# KiCad board sizif128.kicad_pcb (continued)
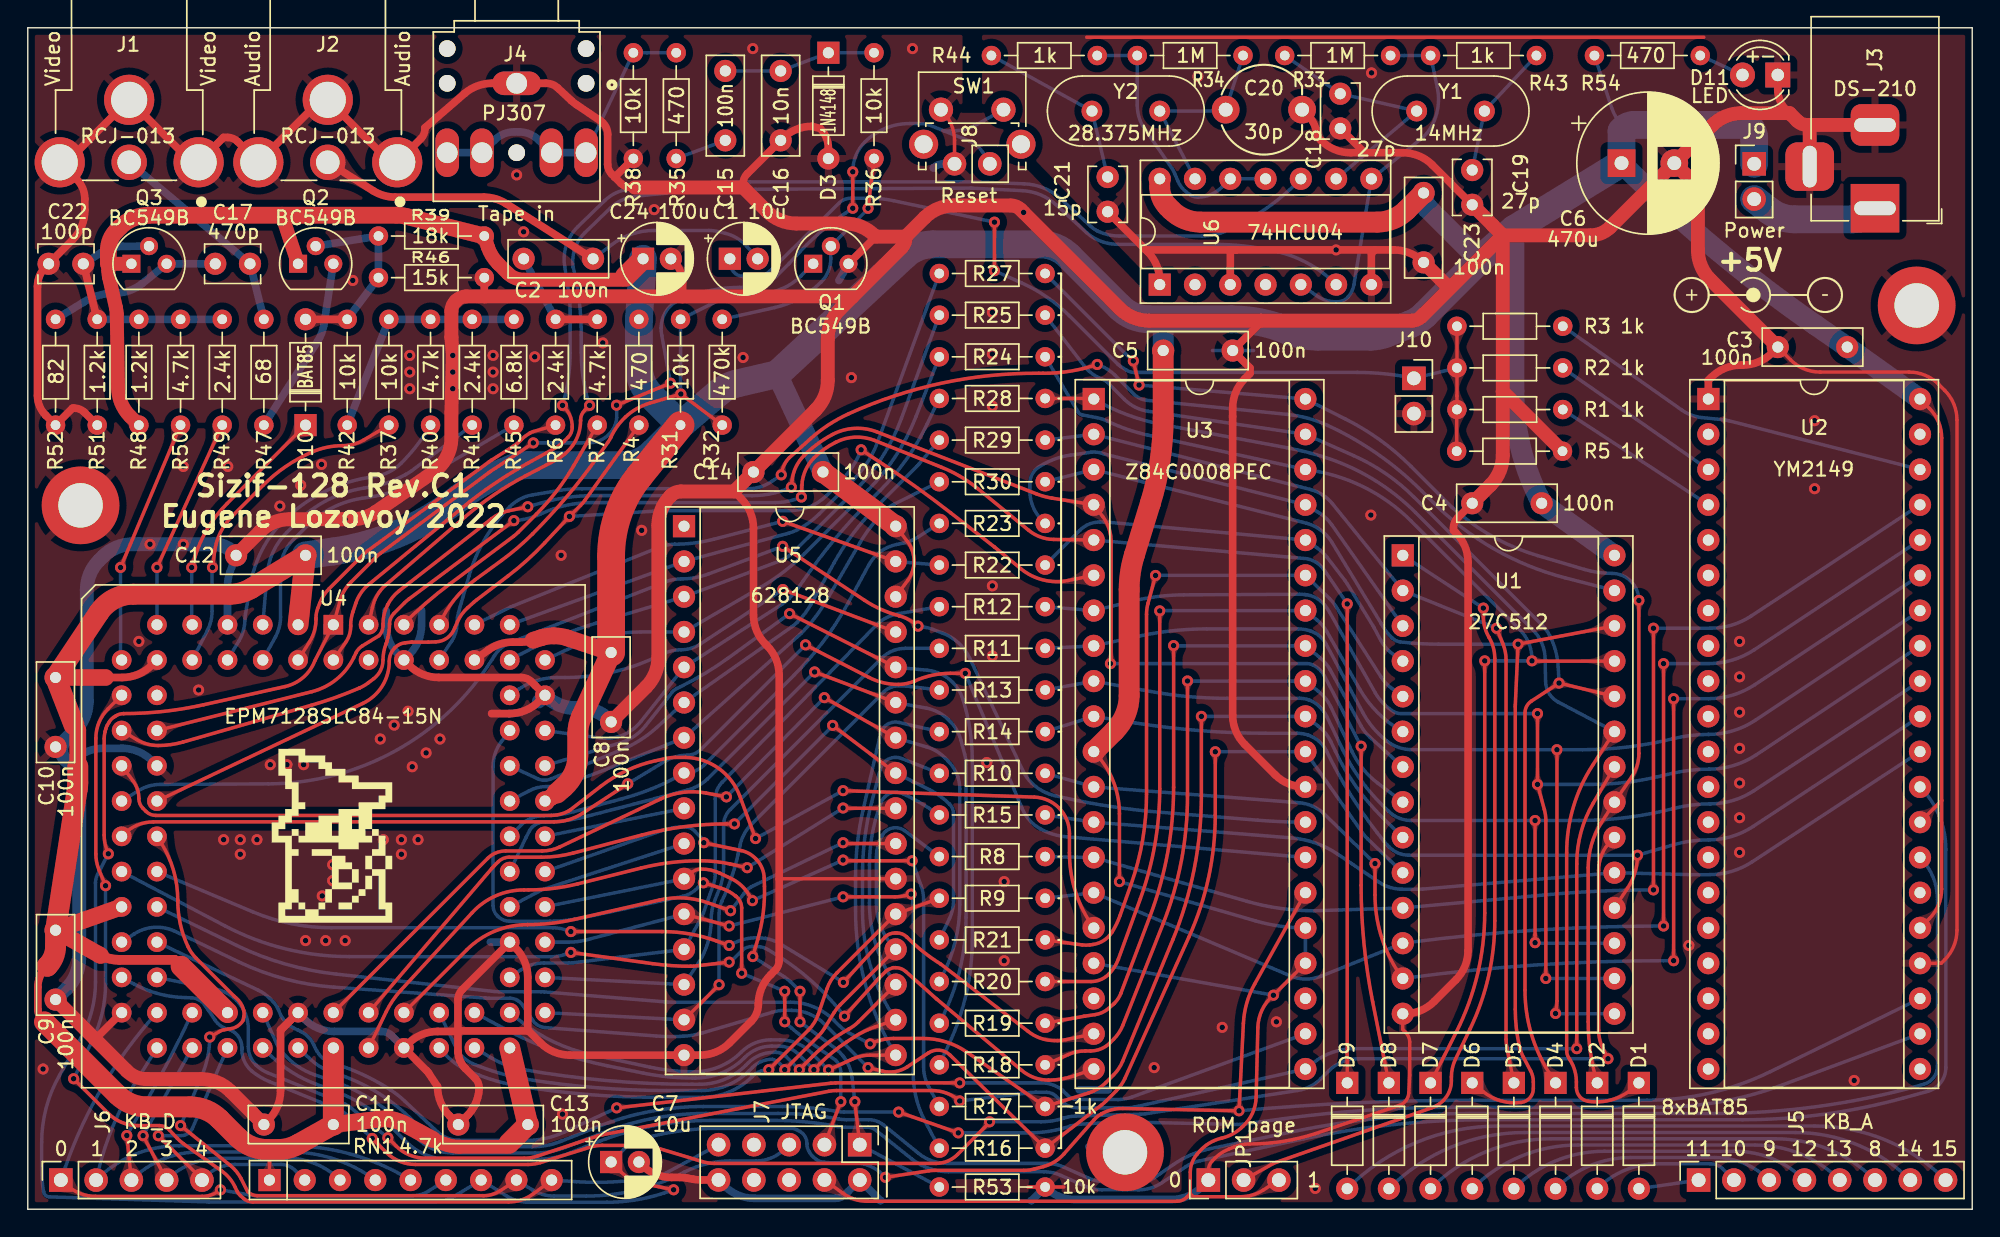
[diagram p0: board, top side]
## Copper pours and planes (outline as drawn; the poured copper is in the pictures) (continued)
D7 on Bottom: 74.64,28.32 74.48,28.35 74.35,28.39 74.25,28.44 74.16,28.5 74.08,28.57 74.01,28.64 73.94,28.72 73.86,28.8 73.76,28.89 73.64,28.98 72.9,28.45 73.46,27.73 73.6,27.78 73.71,27.84 73.82,27.89 73.91,27.94 74,27.99 74.09,28.04 74.19,28.07 74.31,28.09 74.44,28.09 74.61,28.07
Green on Bottom: 30.97,55.54 31.1,55.63 31.22,55.7 31.33,55.74 31.44,55.76 31.54,55.77 31.64,55.76 31.75,55.76 31.86,55.76 31.99,55.77 32.14,55.79 32.28,56.69 31.38,56.8 31.32,56.67 31.27,56.54 31.24,56.43 31.21,56.33 31.19,56.23 31.15,56.14 31.1,56.04 31.03,55.95 30.94,55.85 30.82,55.74
Green on Bottom: 16.92,43.53 16.89,43.36 16.86,43.23 16.81,43.12 16.76,43.02 16.7,42.94 16.63,42.86 16.55,42.78 16.47,42.69 16.39,42.59 16.31,42.46 16.89,41.75 17.58,42.35 17.52,42.49 17.46,42.61 17.4,42.71 17.34,42.8 17.28,42.89 17.23,42.98 17.2,43.08 17.17,43.2 17.16,43.34 17.16,43.51
Green on Bottom: 16.98,44.24 16.95,43.98 16.92,43.76 16.88,43.57 16.83,43.41 16.77,43.26 16.7,43.12 16.62,42.98 16.53,42.83 16.43,42.66 16.31,42.46 16.89,41.75 17.58,42.35 17.5,42.57 17.42,42.76 17.36,42.92 17.31,43.07 17.26,43.22 17.23,43.38 17.21,43.54 17.2,43.73 17.21,43.95 17.22,44.21
Green on Bottom: 30.41,55.12 30.61,55.27 30.79,55.39 30.96,55.48 31.11,55.55 31.25,55.61 31.4,55.65 31.55,55.68 31.72,55.72 31.91,55.75 32.14,55.79 32.28,56.69 31.38,56.8 31.28,56.6 31.19,56.42 31.11,56.27 31.04,56.13 30.96,56 30.86,55.87 30.75,55.75 30.62,55.62 30.46,55.48 30.26,55.32
KD0 on Top: 12.8,0.81 12.95,0.83 13.08,0.85 13.2,0.87 13.3,0.89 13.48,0.93 13.57,0.95 13.67,0.97 13.78,0.99 13.92,1 14.05,1.51 13.54,1.61 13.48,1.52 13.42,1.43 13.36,1.35 13.31,1.29 13.25,1.23 13.18,1.18 13.1,1.14 13.01,1.11 12.9,1.08 12.77,1.06
KD0 on Top: 3.82,1.25 3.65,1.33 3.53,1.42 3.44,1.52 3.38,1.63 3.34,1.74 3.31,1.87 3.29,2 3.26,2.15 3.21,2.3 3.15,2.46 2.05,2.37 2.19,1.27 2.38,1.23 2.54,1.21 2.68,1.2 2.81,1.2 2.94,1.19 3.07,1.18 3.2,1.17 3.36,1.14 3.53,1.09 3.73,1.02
KD0 on Top: 4.61,1.06 4.34,1.1 4.11,1.16 3.92,1.25 3.77,1.36 3.65,1.49 3.54,1.65 3.44,1.82 3.35,2.02 3.26,2.23 3.15,2.46 2.05,2.37 2.3,1.25 2.58,1.22 2.82,1.18 3.03,1.14 3.22,1.09 3.4,1.04 3.58,0.99 3.78,0.94 4,0.89 4.27,0.85 4.59,0.81
KD0 on Bottom: 8.46,13 8.57,13.12 8.68,13.21 8.78,13.28 8.88,13.32 8.98,13.35 9.08,13.37 9.19,13.39 9.31,13.42 9.43,13.45 9.57,13.5 9.54,14.43 8.62,14.35 8.58,14.2 8.56,14.07 8.55,13.95 8.54,13.84 8.53,13.74 8.52,13.63 8.49,13.53 8.44,13.41 8.37,13.29 8.27,13.16
KD0 on Bottom: 8.01,12.45 8.18,12.65 8.33,12.81 8.46,12.94 8.6,13.05 8.73,13.13 8.86,13.21 9.01,13.27 9.17,13.34 9.36,13.42 9.57,13.5 9.54,14.43 8.62,14.35 8.55,14.13 8.5,13.93 8.46,13.76 8.41,13.6 8.36,13.45 8.29,13.31 8.21,13.16 8.11,13 7.98,12.81 7.82,12.6
KD0 on Bottom: 2.88,3.89 2.8,3.68 2.71,3.52 2.61,3.39 2.52,3.29 2.41,3.2 2.3,3.12 2.19,3.04 2.06,2.95 1.93,2.84 1.78,2.7 2.24,1.7 3.22,2.2 3.19,2.39 3.15,2.56 3.11,2.71 3.07,2.85 3.03,2.98 3.01,3.11 3,3.26 3.01,3.41 3.05,3.59 3.12,3.8
KD0 on Bottom: 27.28,0.89 27.65,0.85 27.96,0.86 28.22,0.91 28.46,0.99 28.67,1.09 28.89,1.19 29.11,1.27 29.35,1.33 29.62,1.35 29.95,1.31 30.44,2.31 29.42,2.52 29.25,2.25 29.1,1.99 28.94,1.76 28.79,1.56 28.62,1.39 28.43,1.25 28.22,1.15 27.97,1.1 27.67,1.09 27.33,1.14
KD0 on Bottom: 28.13,0.89 28.41,0.94 28.65,1 28.85,1.04 29.2,1.13 29.36,1.17 29.53,1.21 29.72,1.24 29.94,1.27 30.19,1.31 30.44,2.31 29.42,2.52 29.3,2.31 29.2,2.12 29.11,1.94 29.03,1.77 28.94,1.62 28.83,1.49 28.7,1.38 28.54,1.28 28.34,1.2 28.08,1.13
KD0 on Bottom: 3.2,4.68 3.06,4.37 2.94,4.12 2.83,3.9 2.72,3.72 2.6,3.55 2.47,3.4 2.33,3.25 2.17,3.09 1.99,2.91 1.78,2.7 2.24,1.7 3.22,2.2 3.19,2.49 3.15,2.74 3.13,2.97 3.11,3.17 3.11,3.37 3.12,3.57 3.16,3.78 3.22,4.01 3.31,4.28 3.43,4.59
KD1 on Bottom: 6.91,3.72 6.62,3.57 6.37,3.45 6.15,3.36 5.96,3.28 5.78,3.22 5.6,3.17 5.41,3.11 5.2,3.06 4.96,2.99 4.68,2.92 4.6,1.81 5.71,1.78 5.81,2.03 5.89,2.25 5.97,2.45 6.05,2.62 6.14,2.78 6.25,2.93 6.39,3.07 6.55,3.21 6.76,3.35 7.02,3.5
KD1 on Bottom: 8.28,9.74 8.42,9.96 8.55,10.14 8.67,10.29 8.79,10.41 8.9,10.52 9.03,10.61 9.16,10.7 9.31,10.79 9.48,10.9 9.68,11.02 9.49,11.92 8.59,11.69 8.57,11.46 8.55,11.26 8.54,11.09 8.51,10.93 8.49,10.78 8.44,10.62 8.39,10.47 8.31,10.29 8.2,10.1 8.07,9.87
KD1 on Bottom: 25.38,3.09 25.64,2.97 25.86,2.85 26.03,2.74 26.18,2.62 26.31,2.5 26.42,2.37 26.52,2.22 26.63,2.06 26.76,1.87 26.9,1.65 27.91,1.9 27.62,2.9 27.35,2.92 26.92,2.94 26.74,2.95 26.57,2.97 26.39,3.01 26.2,3.05 26,3.12 25.76,3.2 25.48,3.32
KD1 on Bottom: 8.66,10.35 8.75,10.48 8.84,10.59 8.93,10.67 9.03,10.73 9.12,10.77 9.22,10.81 9.32,10.85 9.43,10.89 9.55,10.94 9.68,11.02 9.49,11.92 8.59,11.69 8.58,11.54 8.59,11.41 8.6,11.29 8.61,11.19 8.62,11.08 8.62,10.98 8.61,10.87 8.58,10.75 8.52,10.62 8.44,10.48
KD1 on Bottom: 26.1,2.76 26.27,2.67 26.39,2.58 26.48,2.48 26.55,2.38 26.6,2.28 26.65,2.17 26.69,2.05 26.74,1.93 26.81,1.8 26.9,1.65 27.91,1.9 27.62,2.9 27.45,2.9 27.3,2.89 27.16,2.88 27.04,2.86 26.92,2.84 26.8,2.83 26.68,2.84 26.54,2.86 26.39,2.91 26.21,2.98
KD1 on Bottom: 5.22,3.78 5.16,3.59 5.08,3.44 5,3.32 4.92,3.22 4.82,3.14 4.72,3.06 4.62,2.98 4.51,2.89 4.39,2.78 4.27,2.64 4.82,1.69 5.75,2.28 5.71,2.45 5.65,2.6 5.59,2.73 5.53,2.85 5.48,2.97 5.44,3.09 5.41,3.21 5.4,3.36 5.42,3.52 5.46,3.71
KD1 on Bottom: 5.48,4.6 5.37,4.3 5.28,4.05 5.18,3.84 5.08,3.66 4.98,3.51 4.87,3.36 4.75,3.2 4.61,3.04 4.45,2.86 4.27,2.64 4.82,1.69 5.75,2.28 5.69,2.55 5.63,2.78 5.59,2.99 5.55,3.18 5.52,3.36 5.52,3.55 5.53,3.75 5.56,3.97 5.63,4.23 5.72,4.52
KD1 on Bottom: 6.17,3.28 5.99,3.17 5.83,3.1 5.69,3.05 5.55,3.02 5.43,3.01 5.17,3 5.02,2.99 4.86,2.96 4.68,2.92 4.6,1.81 5.71,1.78 5.77,1.95 5.8,2.1 5.83,2.24 5.85,2.37 5.87,2.5 5.91,2.61 5.96,2.73 6.04,2.84 6.15,2.95 6.3,3.07
KD2 on Top: 7.16,3.77 7.17,3.57 7.16,3.4 7.13,3.26 7.08,3.14 7.02,3.03 6.95,2.93 6.88,2.82 6.81,2.7 6.73,2.56 6.66,2.39 7.5,1.68 8.18,2.55 8.08,2.7 7.98,2.82 7.88,2.92 7.79,3.01 7.7,3.1 7.62,3.2 7.55,3.31 7.49,3.44 7.44,3.6 7.41,3.79
KD2 on Top: 7.08,4.61 7.1,4.3 7.11,4.04 7.1,3.81 7.08,3.62 7.04,3.43 6.99,3.25 6.92,3.07 6.85,2.87 6.76,2.65 6.66,2.39 7.5,1.68 8.18,2.55 8.03,2.78 7.9,2.98 7.79,3.16 7.69,3.33 7.6,3.49 7.53,3.66 7.46,3.85 7.41,4.07 7.36,4.33 7.32,4.64
KD2 on Bottom: 11.35,12.82 11.43,12.96 11.51,13.08 11.59,13.17 11.67,13.24 11.76,13.29 11.85,13.34 11.95,13.39 12.06,13.45 12.17,13.52 12.29,13.61 11.99,14.48 11.13,14.15 11.14,14 11.16,13.87 11.18,13.75 11.21,13.65 11.23,13.54 11.24,13.44 11.24,13.33 11.22,13.21 11.19,13.08 11.12,12.93
KD2 on Bottom: 7.61,6.4 7.54,6.28 7.48,6.18 7.42,6.09 7.36,6.01 7.3,5.95 7.24,5.89 7.17,5.83 7.09,5.77 7.01,5.71 6.9,5.64 7.03,5.14 7.53,5.28 7.54,5.41 7.55,5.51 7.56,5.61 7.57,5.69 7.59,5.78 7.62,5.86 7.66,5.95 7.7,6.04 7.76,6.15 7.83,6.28
KD2 on Bottom: 23.61,2.84 23.76,2.74 23.88,2.65 23.97,2.55 24.03,2.45 24.08,2.34 24.12,2.23 24.15,2.11 24.2,1.99 24.25,1.85 24.33,1.7 25.35,1.88 25.14,2.89 24.96,2.91 24.81,2.91 24.68,2.91 24.55,2.89 24.43,2.89 24.31,2.88 24.19,2.89 24.05,2.92 23.9,2.98 23.72,3.06
KD2 on Bottom: 22.89,3.17 23.15,3.06 23.36,2.94 23.53,2.83 23.68,2.71 23.79,2.58 23.9,2.44 24,2.29 24.09,2.12 24.2,1.92 24.33,1.7 25.35,1.88 25.14,2.89 24.87,2.93 24.44,2.98 24.26,3.01 24.08,3.04 23.91,3.08 23.72,3.13 23.51,3.2 23.27,3.29 22.99,3.4
KD2 on Bottom: 8.73,3.25 8.55,3.15 8.39,3.08 8.24,3.04 8.11,3.02 7.98,3 7.72,3 7.57,2.99 7.41,2.96 7.23,2.92 7.14,1.82 8.24,1.77 8.3,1.94 8.34,2.09 8.37,2.23 8.39,2.36 8.42,2.48 8.45,2.6 8.51,2.71 8.59,2.82 8.7,2.93 8.86,3.04
KD2 on Bottom: 9.5,3.65 9.2,3.52 8.94,3.41 8.72,3.33 8.52,3.26 8.34,3.21 8.15,3.16 7.96,3.11 7.75,3.06 7.51,2.99 7.23,2.92 7.14,1.82 8.24,1.77 8.34,2.02 8.43,2.24 8.51,2.43 8.6,2.6 8.69,2.76 8.81,2.9 8.95,3.04 9.12,3.17 9.34,3.29 9.6,3.42
KD2 on Bottom: 11.03,12.18 11.15,12.41 11.26,12.6 11.37,12.76 11.47,12.9 11.58,13.01 11.69,13.12 11.81,13.23 11.95,13.34 12.11,13.46 12.29,13.61 11.99,14.48 11.13,14.15 11.13,13.92 11.14,13.72 11.14,13.54 11.14,13.38 11.13,13.22 11.11,13.07 11.06,12.91 11,12.73 10.92,12.52 10.81,12.29
KD3 on Top: 8.97,4.31 8.9,4.44 8.85,4.55 8.81,4.64 8.77,4.73 8.75,4.82 8.73,4.9 8.72,4.99 8.71,5.08 8.7,5.19 8.7,5.31 8.21,5.48 8.06,4.98 8.16,4.9 8.25,4.84 8.32,4.78 8.39,4.72 8.45,4.66 8.51,4.59 8.56,4.51 8.62,4.42 8.68,4.32 8.75,4.19
KD3 on Top: 8.7,4.28 8.84,4.01 8.95,3.77 9.02,3.55 9.08,3.36 9.11,3.18 9.13,2.99 9.14,2.8 9.14,2.59 9.14,2.35 9.15,2.07 10.2,1.72 10.5,2.79 10.28,2.95 10.08,3.08 9.9,3.21 9.75,3.32 9.61,3.44 9.47,3.57 9.34,3.72 9.21,3.91 9.07,4.13 8.92,4.4
KD3 on Top: 9.1,3.53 9.18,3.35 9.23,3.19 9.26,3.05 9.26,2.92 9.24,2.8 9.22,2.68 9.19,2.55 9.17,2.41 9.15,2.25 9.15,2.07 10.2,1.72 10.5,2.79 10.35,2.89 10.21,2.96 10.08,3.02 9.96,3.07 9.84,3.12 9.73,3.18 9.63,3.25 9.52,3.35 9.42,3.48 9.32,3.65
KD3 on Bottom: 12.12,3.54 11.8,3.44 11.53,3.36 11.3,3.29 11.1,3.24 10.91,3.19 10.72,3.15 10.53,3.1 10.31,3.05 10.07,2.99 9.79,2.92 9.68,1.82 10.78,1.76 10.88,2 10.97,2.21 11.06,2.4 11.15,2.57 11.25,2.73 11.37,2.86 11.52,2.98 11.7,3.1 11.92,3.2 12.19,3.3
KD3 on Bottom: 21.14,2.94 21.29,2.84 21.4,2.75 21.48,2.65 21.54,2.55 21.57,2.44 21.6,2.33 21.62,2.21 21.65,2.08 21.69,1.93 21.75,1.78 22.78,1.84 22.69,2.87 22.51,2.91 22.36,2.93 22.22,2.94 21.98,2.95 21.86,2.96 21.73,2.98 21.59,3.01 21.44,3.07 21.26,3.16
KD3 on Bottom: 11.31,3.21 11.12,3.12 10.95,3.06 10.8,3.02 10.67,3 10.54,3 10.28,2.99 10.13,2.98 9.97,2.96 9.79,2.92 9.68,1.82 10.78,1.76 10.84,1.92 10.88,2.07 10.91,2.21 10.93,2.34 10.96,2.46 11,2.58 11.06,2.69 11.15,2.79 11.27,2.89 11.43,2.98
KD3 on Bottom: 20.42,3.25 20.68,3.15 20.89,3.05 21.06,2.94 21.19,2.82 21.3,2.69 21.4,2.55 21.48,2.39 21.57,2.21 21.65,2.01 21.75,1.78 22.78,1.84 22.69,2.87 22.42,2.94 22.19,3 21.81,3.09 21.64,3.13 21.46,3.18 21.27,3.24 21.05,3.3 20.8,3.38 20.51,3.49
KD3 on Bottom: 8.77,6.4 8.7,6.27 8.64,6.17 8.58,6.08 8.52,6 8.46,5.94 8.4,5.88 8.34,5.82 8.26,5.76 8.17,5.7 8.07,5.63 8.2,5.13 8.7,5.28 8.71,5.4 8.72,5.51 8.73,5.6 8.74,5.69 8.76,5.77 8.79,5.86 8.82,5.94 8.87,6.04 8.92,6.15 8.99,6.28
KD3 on Bottom: 10.91,9.7 11.04,9.92 11.16,10.11 11.27,10.26 11.38,10.39 11.49,10.5 11.61,10.6 11.74,10.69 11.89,10.79 12.06,10.91 12.25,11.04 12.01,11.93 11.13,11.66 11.12,11.43 11.11,11.23 11.1,11.05 11.09,10.89 11.06,10.74 11.03,10.59 10.98,10.43 10.91,10.25 10.81,10.05 10.69,9.82
KD3 on Bottom: 11.25,10.32 11.34,10.46 11.43,10.57 11.52,10.65 11.61,10.71 11.7,10.76 11.79,10.8 11.89,10.85 12,10.9 12.12,10.96 12.25,11.04 12.01,11.93 11.13,11.66 11.13,11.51 11.14,11.38 11.15,11.26 11.17,11.15 11.18,11.05 11.19,10.95 11.18,10.84 11.16,10.72 11.11,10.59 11.04,10.44
KD4 on Top: 10.33,4.55 10.23,4.65 10.14,4.74 10.08,4.82 10.02,4.9 9.97,4.97 9.93,5.04 9.89,5.12 9.86,5.21 9.82,5.31 9.78,5.43 9.26,5.44 9.27,4.92 9.39,4.88 9.49,4.84 9.58,4.81 9.66,4.77 9.73,4.73 9.8,4.68 9.88,4.62 9.96,4.56 10.05,4.47 10.15,4.37
KD4 on Top: 11.28,3.25 11.41,3.1 11.5,2.96 11.57,2.84 11.61,2.71 11.63,2.59 11.64,2.47 11.65,2.33 11.66,2.19 11.68,2.04 11.72,1.86 12.83,1.78 12.86,2.89 12.68,2.95 12.53,2.99 12.38,3.01 12.25,3.03 12.13,3.05 12,3.08 11.88,3.12 11.75,3.19 11.61,3.28 11.45,3.42
KD4 on Top: 10.68,3.85 10.89,3.62 11.06,3.43 11.2,3.25 11.31,3.08 11.39,2.91 11.46,2.74 11.53,2.56 11.58,2.36 11.65,2.13 11.72,1.86 12.83,1.78 12.86,2.89 12.6,2.99 12.37,3.07 12.16,3.15 11.98,3.22 11.81,3.29 11.64,3.38 11.47,3.49 11.28,3.63 11.08,3.8 10.85,4.02
KD4 on Bottom: 10.59,5.43 10.45,5.43 10.32,5.43 10.22,5.44 10.12,5.45 10.04,5.47 9.95,5.49 9.87,5.52 9.78,5.56 9.69,5.61 9.57,5.66 9.2,5.3 9.57,4.94 9.69,4.99 9.78,5.04 9.87,5.08 9.95,5.11 10.04,5.13 10.12,5.15 10.22,5.16 10.32,5.17 10.45,5.17 10.59,5.18
KD4 on Bottom: 13.64,9.62 13.75,9.85 13.85,10.05 13.95,10.21 14.05,10.35 14.15,10.47 14.26,10.58 14.38,10.69 14.51,10.8 14.67,10.93 14.84,11.08 14.52,11.95 13.67,11.59 13.68,11.36 13.69,11.16 13.7,10.98 13.7,10.82 13.7,10.67 13.68,10.51 13.64,10.35 13.59,10.16 13.51,9.96 13.41,9.72
KD4 on Bottom: 13.89,3.18 13.68,3.11 13.5,3.07 13.35,3.04 13.21,3.03 13.08,3.02 12.96,3.01 12.82,3.01 12.68,2.99 12.52,2.97 12.33,2.92 12.22,1.83 13.32,1.75 13.38,1.91 13.42,2.07 13.44,2.21 13.47,2.35 13.49,2.47 13.53,2.59 13.59,2.69 13.68,2.79 13.8,2.87 13.97,2.94
KD4 on Bottom: 14.76,3.35 14.44,3.32 14.18,3.29 13.95,3.25 13.76,3.2 13.58,3.15 13.4,3.09 13.22,3.05 13.01,3 12.78,2.97 12.5,2.95 12.22,1.83 13.32,1.75 13.51,2.2 13.6,2.39 13.7,2.56 13.8,2.71 13.93,2.83 14.09,2.94 14.27,3.02 14.5,3.07 14.77,3.1
KD4 on Bottom: 17.95,3.1 18.19,3.08 18.39,3.04 18.56,2.97 18.69,2.87 18.8,2.74 18.89,2.6 18.97,2.43 19.04,2.25 19.11,2.05 19.18,1.84 20.22,1.82 19.94,2.9 19.69,2.91 19.48,2.95 19.31,3 19.14,3.06 18.99,3.13 18.83,3.19 18.66,3.25 18.46,3.3 18.23,3.34 17.95,3.35
KD4 on Bottom: 13.93,10.27 14,10.42 14.08,10.53 14.15,10.62 14.24,10.7 14.32,10.75 14.41,10.8 14.51,10.86 14.61,10.91 14.72,10.99 14.84,11.08 14.52,11.95 13.67,11.59 13.68,11.44 13.7,11.31 13.73,11.2 13.76,11.09 13.78,10.99 13.8,10.89 13.8,10.78 13.79,10.66 13.76,10.52 13.7,10.37
KD4 on Bottom: 18.5,3.07 18.68,3.02 18.82,2.95 18.91,2.85 18.98,2.74 19.03,2.62 19.05,2.48 19.1,2.18 19.13,2.01 19.18,1.84 20.22,1.82 20.1,2.88 19.91,2.93 19.75,2.97 19.61,3.01 19.48,3.05 19.24,3.14 19.1,3.18 18.95,3.22 18.77,3.27 18.55,3.32
nINT on Top: 8.12,29.54 8.11,29.88 8.06,30.16 7.99,30.4 7.9,30.6 7.8,30.79 7.7,30.98 7.61,31.17 7.53,31.38 7.49,31.63 7.47,31.93 6.55,32.22 6.44,31.31 6.69,31.18 6.93,31.06 7.14,30.94 7.33,30.82 7.5,30.68 7.63,30.53 7.74,30.34 7.82,30.12 7.86,29.86 7.87,29.55
nINT on Top: 8.01,30.28 7.93,30.53 7.86,30.74 7.8,30.91 7.74,31.07 7.69,31.21 7.64,31.35 7.59,31.5 7.55,31.67 7.5,31.86 7.46,32.08 6.55,32.22 6.44,31.31 6.63,31.21 6.81,31.14 6.97,31.07 7.12,31.01 7.26,30.94 7.38,30.85 7.5,30.74 7.6,30.6 7.69,30.43 7.78,30.21
nINT on Top: 51.87,27.77 51.92,27.64 51.96,27.52 51.99,27.42 52.01,27.32 52.02,27.24 52.03,27.15 52.03,27.06 52.02,26.97 52.01,26.86 52,26.74 52.47,26.51 52.68,26.99 52.59,27.07 52.51,27.15 52.45,27.22 52.39,27.29 52.34,27.36 52.29,27.43 52.25,27.51 52.2,27.61 52.15,27.72 52.1,27.86
nINT on Top: 75.82,21.58 75.9,21.4 75.95,21.25 75.97,21.11 75.98,20.99 75.98,20.87 75.97,20.75 75.95,20.63 75.94,20.49 75.94,20.34 75.96,20.17 76.96,19.92 77.17,20.94 77.03,21.02 76.89,21.08 76.76,21.13 76.64,21.16 76.53,21.2 76.42,21.25 76.32,21.32 76.23,21.41 76.13,21.53 76.04,21.69
nINT on Top: 75.5,22.32 75.6,22.04 75.69,21.8 75.75,21.59 75.8,21.4 75.83,21.22 75.86,21.05 75.88,20.87 75.9,20.67 75.93,20.44 75.96,20.17 76.96,19.92 77.17,20.94 76.95,21.07 76.76,21.18 76.59,21.29 76.44,21.39 76.3,21.5 76.17,21.62 76.06,21.76 75.95,21.94 75.84,22.15 75.73,22.41
nINT on Top: 59.89,30.23 59.75,30.24 59.63,30.25 59.52,30.26 59.43,30.28 59.34,30.3 59.26,30.32 59.18,30.36 59.09,30.4 59,30.45 58.89,30.5 58.5,30.16 58.86,29.78 58.98,29.83 59.07,29.88 59.16,29.91 59.25,29.94 59.33,29.96 59.42,29.97 59.51,29.98 59.62,29.99 59.74,29.99 59.89,29.98
nINT on Bottom: 53.38,27.38 53.26,27.31 53.15,27.26 53.05,27.21 52.96,27.18 52.88,27.15 52.79,27.14 52.71,27.12 52.61,27.11 52.5,27.11 52.38,27.1 52.22,26.6 52.73,26.47 52.8,26.57 52.86,26.66 52.92,26.73 52.98,26.8 53.04,26.86 53.11,26.91 53.18,26.97 53.27,27.03 53.38,27.09 53.5,27.16
nINT on Bottom: 57.72,29.47 57.84,29.54 57.95,29.59 58.05,29.64 58.14,29.67 58.22,29.7 58.31,29.71 58.39,29.73 58.49,29.74 58.6,29.74 58.72,29.75 58.88,30.25 58.37,30.38 58.3,30.28 58.24,30.19 58.18,30.12 58.12,30.05 58.06,29.99 57.99,29.94 57.92,29.88 57.83,29.82 57.72,29.76 57.6,29.69
nIORQ on Top: 73.8,9.18 74.19,9.21 74.52,9.24 74.81,9.27 75.06,9.3 75.29,9.33 75.52,9.35 75.76,9.36 76.02,9.36 76.31,9.34 76.66,9.31 77.13,10.23 76.18,10.67 75.95,10.43 75.74,10.22 75.55,10.04 75.36,9.89 75.17,9.76 74.97,9.66 74.74,9.57 74.47,9.51 74.16,9.46 73.78,9.43
nIORQ on Top: 74.61,9.28 74.89,9.33 75.12,9.37 75.32,9.4 75.51,9.41 75.67,9.41 75.84,9.4 76.01,9.38 76.2,9.36 76.41,9.34 76.66,9.31 77.13,10.23 76.18,10.67 76.01,10.49 75.87,10.33 75.74,10.18 75.63,10.05 75.51,9.94 75.37,9.83 75.22,9.74 75.04,9.66 74.83,9.59 74.56,9.53
nIORQ on Top: 59.51,14.87 59.41,14.76 59.32,14.67 59.24,14.6 59.17,14.54 59.1,14.49 59.03,14.44 58.95,14.4 58.86,14.36 58.76,14.32 58.65,14.27 58.67,13.75 59.18,13.79 59.22,13.91 59.25,14.01 59.28,14.1 59.32,14.18 59.35,14.26 59.4,14.33 59.45,14.41 59.52,14.5 59.6,14.59 59.69,14.7
nIORQ on Bottom: 8.08,23.77 7.93,23.85 7.82,23.94 7.74,24.02 7.67,24.11 7.62,24.2 7.58,24.29 7.53,24.4 7.48,24.5 7.42,24.62 7.33,24.74 6.45,24.49 6.74,23.61 6.89,23.61 7.02,23.62 7.14,23.64 7.24,23.66 7.35,23.68 7.45,23.69 7.56,23.68 7.68,23.66 7.81,23.62 7.96,23.55
nIORQ on Bottom: 57.94,14.74 58.04,14.63 58.11,14.54 58.18,14.45 58.23,14.37 58.27,14.29 58.3,14.21 58.33,14.13 58.36,14.04 58.38,13.93 58.41,13.81 58.93,13.74 58.97,14.26 58.86,14.32 58.76,14.37 58.68,14.41 58.6,14.46 58.53,14.51 58.46,14.56 58.39,14.63 58.31,14.71 58.23,14.8 58.13,14.91
nIORQ on Bottom: 51.3,18.69 51.21,18.59 51.12,18.51 51.04,18.44 50.97,18.38 50.89,18.34 50.82,18.3 50.74,18.27 50.65,18.24 50.55,18.22 50.43,18.19 50.34,17.68 50.85,17.61 50.91,17.72 51.01,17.91 51.06,17.99 51.1,18.07 51.16,18.14 51.22,18.22 51.29,18.31 51.38,18.4 51.48,18.51
nIORQ on Bottom: 8.71,23.44 8.48,23.56 8.29,23.68 8.13,23.79 8,23.89 7.89,24 7.79,24.12 7.69,24.25 7.58,24.39 7.47,24.55 7.33,24.74 6.45,24.49 6.74,23.61 6.97,23.6 7.17,23.6 7.35,23.6 7.51,23.59 7.66,23.57 7.81,23.54 7.98,23.49 8.15,23.42 8.36,23.33 8.59,23.22
nM1 on Top: 65.65,38.43 65.88,38.45 66.08,38.48 66.26,38.49 66.41,38.5 66.56,38.49 66.7,38.47 66.84,38.44 66.98,38.39 67.14,38.32 67.33,38.24 67.7,38.6 67.33,38.96 67.14,38.88 66.97,38.82 66.83,38.78 66.68,38.75 66.54,38.74 66.4,38.73 66.24,38.72 66.06,38.71 65.86,38.7 65.62,38.67
nM1 on Top: 57.12,40.22 56.99,40.28 56.88,40.34 56.79,40.4 56.71,40.45 56.64,40.51 56.58,40.57 56.52,40.63 56.46,40.71 56.39,40.79 56.32,40.89 55.82,40.74 55.99,40.25 56.11,40.25 56.22,40.24 56.32,40.24 56.41,40.22 56.49,40.21 56.57,40.18 56.66,40.15 56.76,40.11 56.87,40.06 57,40
nM1 on Top: 42.27,29.89 42.4,29.97 42.5,30.03 42.59,30.09 42.68,30.13 42.76,30.16 42.84,30.18 42.93,30.2 43.02,30.22 43.13,30.24 43.25,30.25 43.37,30.76 42.86,30.85 42.79,30.75 42.74,30.66 42.68,30.58 42.63,30.51 42.58,30.44 42.51,30.38 42.44,30.32 42.36,30.25 42.26,30.18 42.14,30.1
nM1 on Top: 8.58,27.99 8.31,27.95 8.09,27.9 7.9,27.86 7.73,27.81 7.42,27.73 7.27,27.68 7.09,27.64 6.89,27.6 6.66,27.56 6.49,26.63 7.41,26.57 7.57,26.94 7.65,27.1 7.73,27.24 7.81,27.37 7.92,27.47 8.05,27.56 8.2,27.64 8.39,27.7 8.62,27.74
nM1 on Top: 7.87,27.8 7.7,27.73 7.56,27.69 7.43,27.66 7.31,27.64 7.21,27.63 6.99,27.62 6.87,27.61 6.74,27.58 6.58,27.55 6.49,26.63 7.41,26.57 7.46,26.71 7.49,26.83 7.52,26.95 7.54,27.06 7.57,27.16 7.6,27.25 7.65,27.34 7.72,27.42 7.83,27.5 7.96,27.56
nM1 on Bottom: 89.6,25.42 89.89,25.39 90.13,25.35 90.34,25.31 90.52,25.25 90.68,25.18 90.84,25.1 91,25.01 91.17,24.91 91.36,24.79 91.58,24.65 92.39,25.31 91.7,26.09 91.46,25.99 91.25,25.91 91.07,25.83 90.9,25.77 90.73,25.72 90.56,25.68 90.37,25.66 90.16,25.65 89.91,25.65 89.62,25.67
nM1 on Bottom: 44.16,31.37 44.03,31.3 43.92,31.24 43.83,31.19 43.74,31.15 43.66,31.12 43.58,31.1 43.49,31.08 43.39,31.07 43.29,31.06 43.16,31.05 43.03,30.55 43.54,30.43 43.6,30.53 43.66,30.62 43.72,30.7 43.78,30.77 43.83,30.83 43.9,30.89 43.97,30.95 44.06,31.01 44.16,31.08 44.28,31.16
nM1 on Bottom: 68.08,37.55 68.02,37.69 67.98,37.8 67.94,37.9 67.92,37.99 67.9,38.08 67.89,38.16 67.89,38.25 67.89,38.35 67.89,38.45 67.9,38.58 67.42,38.78 67.24,38.3 67.33,38.22 67.41,38.14 67.48,38.08 67.54,38.01 67.59,37.95 67.64,37.87 67.69,37.79 67.74,37.7 67.79,37.59 67.85,37.45
nM1 on Bottom: 90.4,25.35 90.58,25.33 90.73,25.29 90.86,25.23 90.96,25.17 91.05,25.1 91.14,25.02 91.22,24.93 91.32,24.84 91.44,24.75 91.58,24.65 92.39,25.31 91.7,26.09 91.55,26.02 91.42,25.95 91.31,25.88 91.2,25.81 91.11,25.74 91,25.68 90.89,25.64 90.76,25.61 90.6,25.59 90.42,25.6
nM1 on Bottom: 55.25,39.72 55.35,39.82 55.44,39.91 55.52,39.97 55.6,40.03 55.67,40.08 55.74,40.12 55.82,40.16 55.91,40.19 56.01,40.23 56.13,40.27 56.14,40.79 55.62,40.78 55.58,40.66 55.54,40.56 55.51,40.47 55.47,40.39 55.43,40.32 55.38,40.25 55.32,40.17 55.26,40.09 55.17,40 55.07,39.9
nMREQ on Top: 40.29,20.12 40.15,20.13 40.02,20.13 39.92,20.14 39.82,20.15 39.74,20.17 39.65,20.19 39.57,20.22 39.48,20.26 39.39,20.31 39.27,20.36 38.9,20 39.27,19.64 39.39,19.69 39.48,19.74 39.57,19.78 39.65,19.81 39.74,19.83 39.82,19.85 39.92,19.86 40.02,19.87 40.15,19.87 40.29,19.88
nMREQ on Top: 59.44,17.3 59.34,17.2 59.25,17.11 59.17,17.04 59.1,16.98 59.03,16.93 58.96,16.88 58.88,16.84 58.79,16.8 58.69,16.76 58.58,16.71 58.59,16.19 59.1,16.23 59.14,16.34 59.17,16.45 59.21,16.54 59.24,16.62 59.28,16.7 59.32,16.77 59.38,16.85 59.44,16.93 59.52,17.03 59.62,17.13
nMREQ on Top: 75.22,12.19 75.41,12.22 75.56,12.22 75.7,12.21 75.81,12.18 75.92,12.13 76.03,12.08 76.14,12.02 76.26,11.97 76.4,11.91 76.56,11.86 77.14,12.72 76.26,13.27 76.13,13.16 76.03,13.05 75.94,12.95 75.86,12.86 75.79,12.77 75.71,12.68 75.61,12.61 75.49,12.54 75.35,12.48 75.17,12.43
nMREQ on Top: 48.76,19.45 48.98,19.39 49.17,19.34 49.33,19.29 49.47,19.24 49.6,19.19 49.72,19.13 49.83,19.05 49.95,18.96 50.08,18.85 50.22,18.72 50.69,18.93 50.46,19.4 50.26,19.38 50.09,19.38 49.95,19.39 49.81,19.4 49.68,19.43 49.54,19.47 49.4,19.52 49.24,19.57 49.05,19.63 48.83,19.69
nMREQ on Top: 73.14,12.19 73.58,12.06 73.97,11.99 74.3,11.97 74.61,11.98 74.89,12.01 75.17,12.04 75.45,12.05 75.76,12.04 76.1,11.99 76.5,11.88 77.14,12.72 76.26,13.27 75.95,13.03 75.66,12.81 75.4,12.62 75.15,12.46 74.89,12.34 74.62,12.26 74.33,12.22 74.01,12.24 73.64,12.3 73.22,12.42
nMREQ on Bottom: 10.66,23.88 10.51,23.96 10.39,24.03 10.3,24.11 10.23,24.19 10.17,24.27 10.12,24.37 10.06,24.46 10,24.56 9.93,24.67 9.83,24.79 8.97,24.46 9.34,23.61 9.49,23.62 9.62,23.65 9.73,23.68 9.84,23.71 9.94,23.73 10.04,23.75 10.15,23.75 10.27,23.74 10.4,23.71 10.56,23.65
nMREQ on Bottom: 51.58,19.57 51.2,19.48 51.11,19.46 51.02,19.44 50.93,19.43 50.84,19.41 50.74,19.41 50.63,19.4 50.5,19.4 50.32,18.91 50.82,18.75 50.89,18.85 50.96,18.93 51.02,19.01 51.08,19.07 51.15,19.13 51.22,19.17 51.3,19.22 51.39,19.26 51.51,19.29 51.64,19.33
nMREQ on Bottom: 57.64,16.85 57.76,16.78 57.87,16.71 57.95,16.65 58.03,16.59 58.09,16.53 58.15,16.47 58.2,16.4 58.26,16.32 58.32,16.23 58.39,16.13 58.89,16.24 58.76,16.74 58.64,16.75 58.53,16.76 58.44,16.78 58.35,16.8 58.27,16.82 58.18,16.85 58.1,16.89 58,16.93 57.89,16.99 57.77,17.07
nMREQ on Bottom: 11.31,23.61 11.08,23.71 10.88,23.81 10.71,23.91 10.57,24 10.45,24.1 10.34,24.21 10.23,24.33 10.12,24.46 9.99,24.62 9.83,24.79 8.97,24.46 9.34,23.61 9.57,23.62 9.77,23.64 9.95,23.65 10.11,23.65 10.26,23.65 10.42,23.63 10.58,23.6 10.77,23.55 10.98,23.48 11.22,23.38
nRD on Top: 113.14,29.73 113.29,29.98 113.43,30.19 113.56,30.36 113.69,30.49 113.82,30.61 113.96,30.72 114.11,30.82 114.28,30.93 114.47,31.05 114.69,31.2 114.44,32.21 113.44,31.92 113.42,31.66 113.41,31.44 113.4,31.24 113.38,31.06 113.36,30.89 113.32,30.71 113.26,30.53 113.18,30.34 113.07,30.12 112.92,29.86
nRD on Top: 113.54,30.42 113.65,30.58 113.75,30.7 113.85,30.79 113.95,30.86 114.06,30.91 114.17,30.95 114.28,30.99 114.41,31.04 114.54,31.11 114.69,31.2 114.44,32.21 113.44,31.92 113.44,31.75 113.45,31.61 113.46,31.47 113.48,31.35 113.5,31.23 113.51,31.12 113.5,31 113.47,30.86 113.41,30.72 113.33,30.55
nRD on Top: 111.4,12.76 111.4,12.61 111.39,12.49 111.39,12.38 111.37,12.29 111.36,12.2 111.33,12.12 111.3,12.04 111.26,11.95 111.22,11.85 111.17,11.74 111.53,11.37 111.89,11.74 111.83,11.85 111.79,11.95 111.75,12.04 111.72,12.12 111.69,12.2 111.68,12.29 111.66,12.38 111.66,12.49 111.65,12.61 111.65,12.76
nRD on Top: 66.02,8.28 66.15,8.23 66.25,8.18 66.34,8.14 66.42,8.08 66.48,8.03 66.54,7.96 66.59,7.89 66.64,7.81 66.69,7.72 66.75,7.61 67.26,7.68 67.17,8.19 67.04,8.22 66.93,8.24 66.83,8.27 66.74,8.29 66.66,8.32 66.57,8.35 66.24,8.46 66.1,8.51
nRD on Top: 27.22,4.18 27.05,4.28 26.9,4.37 26.78,4.46 26.69,4.55 26.6,4.65 26.53,4.75 26.47,4.85 26.42,4.98 26.36,5.12 26.3,5.28 25.78,5.29 25.79,4.77 25.96,4.71 26.1,4.64 26.22,4.57 26.33,4.5 26.43,4.43 26.53,4.35 26.64,4.26 26.76,4.17 26.91,4.07 27.09,3.96
nRD on Bottom: 10.72,16.54 10.56,16.59 10.43,16.63 10.32,16.69 10.23,16.76 10.16,16.83 10.09,16.91 10.02,16.99 9.94,17.08 9.84,17.17 9.73,17.27 8.95,16.77 9.48,16.01 9.62,16.06 9.75,16.11 9.85,16.16 9.95,16.21 10.04,16.25 10.14,16.29 10.25,16.32 10.36,16.33 10.5,16.32 10.67,16.3
nRD on Bottom: 94,11.46 93.7,11.36 93.45,11.28 93.24,11.22 93.05,11.16 92.87,11.12 92.7,11.07 92.52,11.03 92.32,10.99 92.09,10.94 91.82,10.88 91.67,9.86 92.71,9.74 92.81,9.97 92.91,10.17 92.99,10.35 93.08,10.52 93.18,10.66 93.29,10.79 93.43,10.91 93.6,11.02 93.81,11.12 94.07,11.22
nRD on Bottom: 110.34,11.44 110.48,11.44 110.6,11.43 110.71,11.43 110.8,11.41 110.89,11.4 110.97,11.37 111.05,11.34 111.14,11.3 111.24,11.26 111.35,11.21 111.73,11.57 111.35,11.93 111.24,11.87 111.14,11.83 111.05,11.79 110.97,11.76 110.89,11.74 110.8,11.72 110.71,11.7 110.6,11.7 110.48,11.69 110.34,11.69
nRD on Bottom: 24.92,5.8 25.03,5.71 25.13,5.63 25.2,5.56 25.27,5.49 25.32,5.42 25.37,5.35 25.42,5.27 25.46,5.19 25.51,5.09 25.56,4.98 26.08,5.02 26.02,5.54 25.9,5.57 25.79,5.59 25.7,5.62 25.62,5.65 25.54,5.68 25.46,5.72 25.38,5.77 25.29,5.83 25.19,5.91 25.08,6